# Altium PCB IStoreMedicinv1.PcbDoc (part 2 of 2)
Units mm, origin at the board's own origin, x right, y up, seen from the top; angles counter-clockwise.
Board outline 195 x 97.5 mm, 2 copper layers (Top Layer, Bottom Layer); 201 components, 207 nets, 1110 pads, 82 vias.
Unrouted connection lines stored in the file: 52.
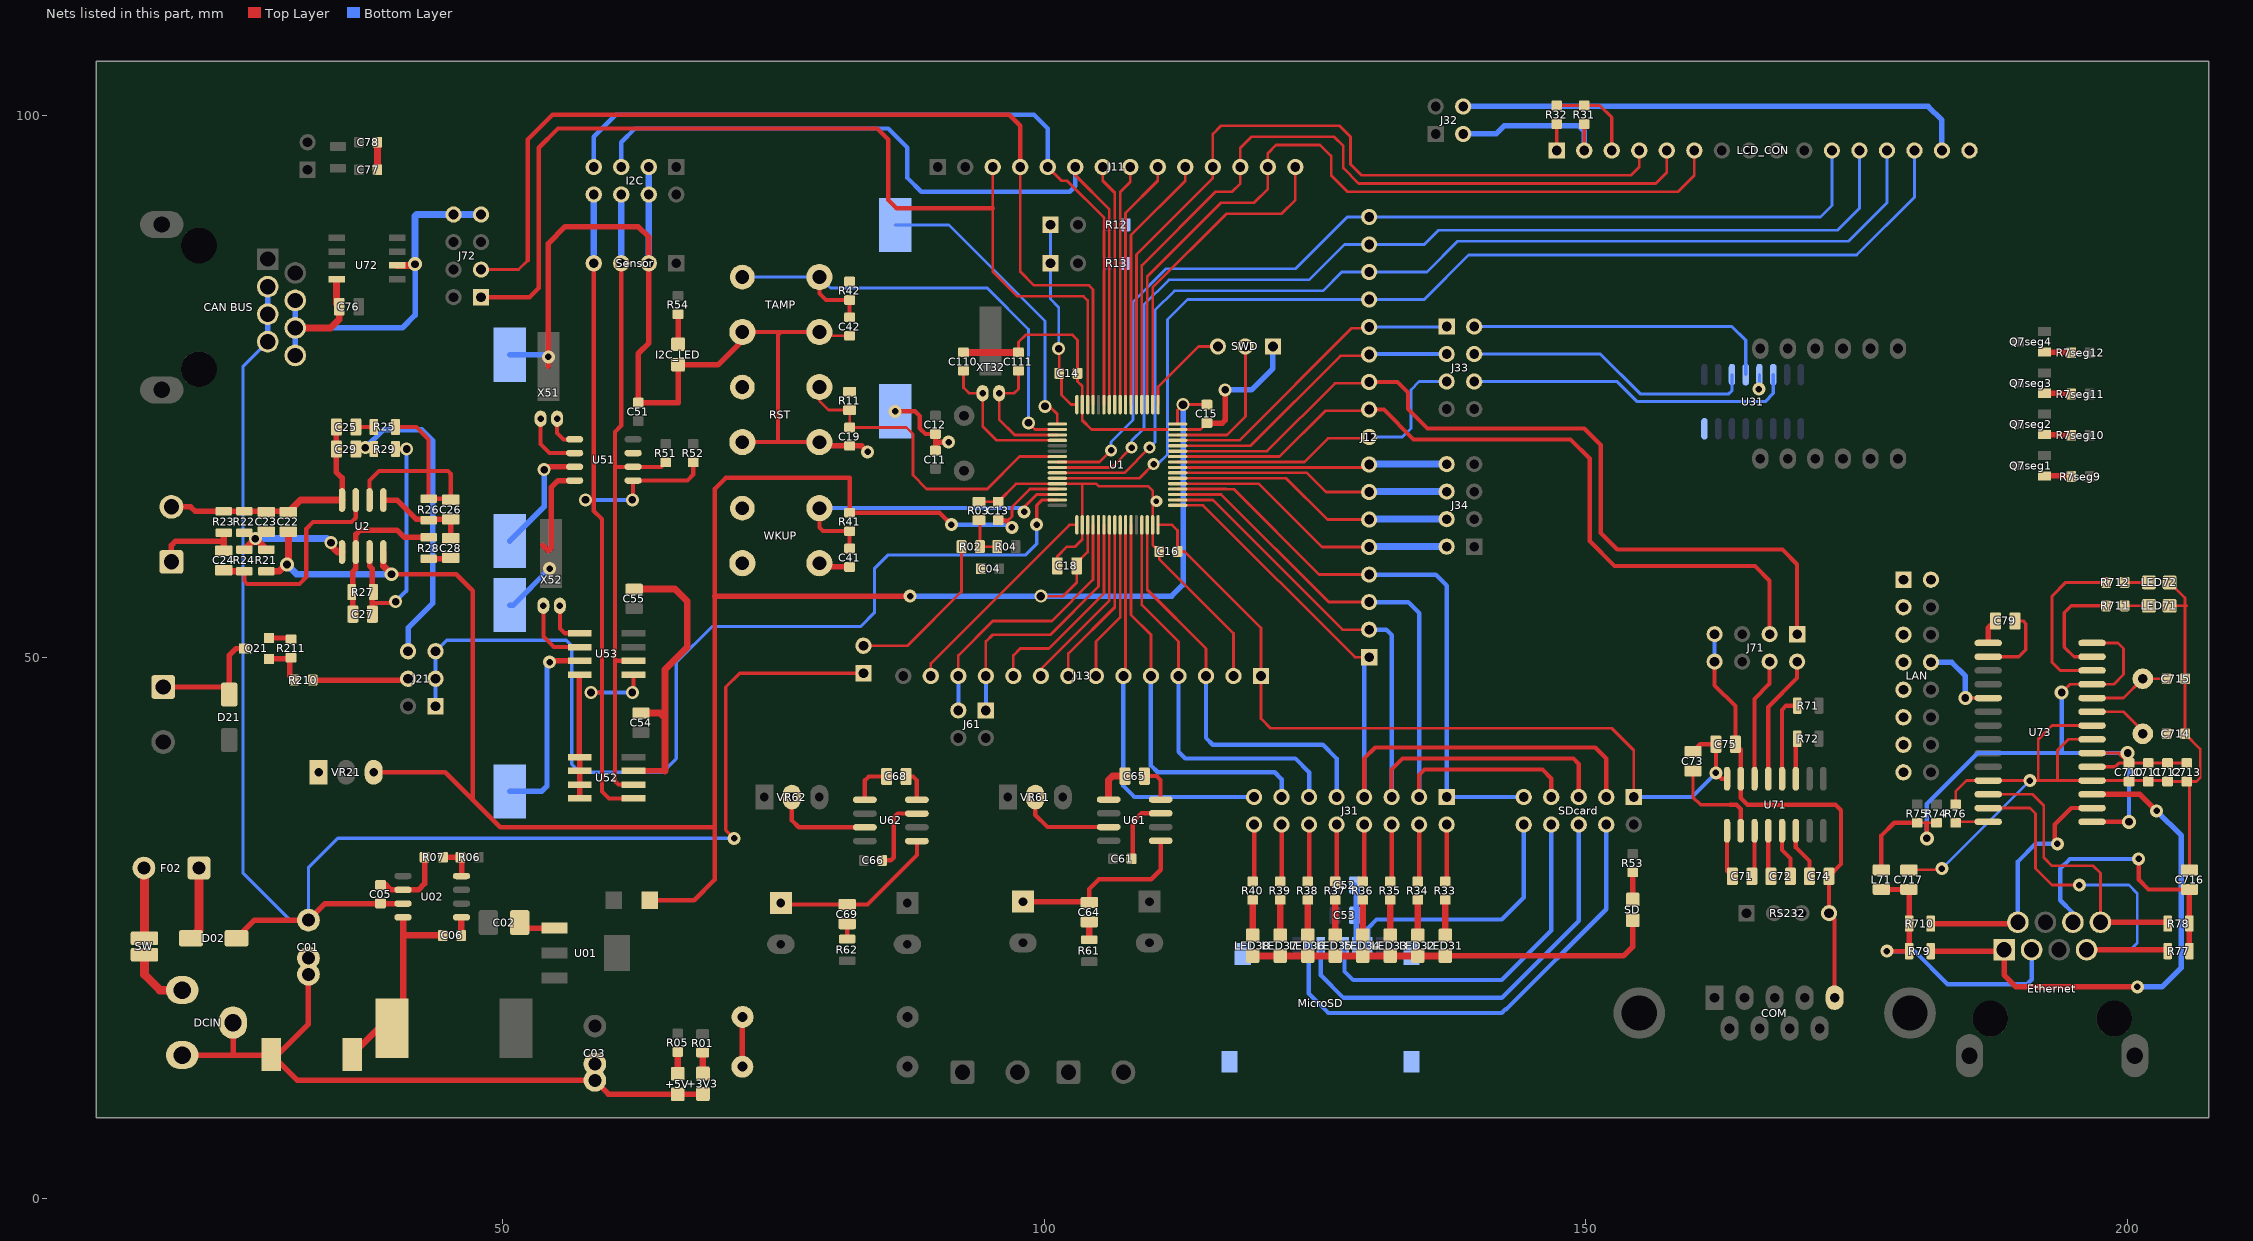
[diagram p2: the nets of this part, all layers, seen from the top]

## Via types
v1: diameter 1.2, hole 0.6, Top Layer to Bottom Layer, tented both sides, 30 vias
v2: diameter 1.2, hole 0.7, Top Layer to Bottom Layer, 15 vias
v3: diameter 1.2, hole 0.8, Top Layer to Bottom Layer, 9 vias
v4: diameter 1.27, hole 1.27, Top Layer to Bottom Layer, 6 vias
v5: diameter 1.2, hole 0.8, Top Layer to Bottom Layer, tented both sides, 5 vias
v6: diameter 1.1, hole 0.6, Top Layer to Bottom Layer, 5 vias
v7: diameter 1.3, hole 0.7, Top Layer to Bottom Layer, tented both sides, 5 vias
v8: diameter 1.27, hole 0.711, Top Layer to Bottom Layer, 3 vias
v9: diameter 1, hole 1, Top Layer to Bottom Layer, 2 vias
v10: diameter 1.2, hole 0.7, Top Layer to Bottom Layer, tented both sides, 1 vias
v11: diameter 1.1, hole 0.5, Top Layer to Bottom Layer, tented both sides, 1 vias

## Nets (pads, with @x,y where several pads share a name; then routed paths per layer and width w, separated by ;. In a path a pad name is that pad's centre, name@x,y a point inside that pad or via, vN(x,y) a via of type N, cw(c..) or ccw(c..) an arc to the next point about the centre after c; other vN are vias at no path point) (continued)
GND: "CAN BUS.4" "CAN BUS.6" "CAN BUS.8" "Ferrite bead.1" +3V3.K +5V.K C01.2 C02.1 C03.2 C04.1 C05.2 C11.2 C12.2 C13.1 C14.1 C15.1 C16.1 C18.1@101.208,58.42 C19.1 C22.1@30.226,63.384 C23.1@28.194,63.384 C25.1@34.66,71.247 C29.2 C41.1 C42.1 C51.2 C52.1@128.662,28.956 C53.1@128.662,26.162 C54.2 C55.2 C74.1@172.447,29.77 C75.1@163.811,41.962 C76.1@34.922,82.347 C77.1 C78.1 C79.1@189.622,53.34 C110.2 C111.2 C710.1 C711.1 C712.1 C713.1 C714.2 C715.2 C716.1@205.74,30.364 C717.2 COM.5 D01.A DCIN.2 DCIN.3 I2C.3 I2C.4 I2C_LED.K J13.2 J71.7 J71.8 J72.7 J72.8 LCD_CON.1 LCD_CON.16 LED31.K LED32.K LED33.K LED34.K LED35.K LED36.K LED37.K LED38.K LED71.K LED72.K MIC.2 MicroSD.6 MicroSD.10 MicroSD.11 MicroSD.12 MicroSD.13 Pin_3V_1.2 Pin_3V_51.2 Pin_3V_52.2 Q21.3 R03.1@93.98,64.35 R6.1 R07.1 R12.1@107.53,89.916 R13.1@107.53,86.36 R22.1@26.162,63.484 R23.2 R32.1 R76.1 R211.1 RS232.4 RST.2 SD.K Sensor.2 SWD.1 TAMP.2 U01.1 U1.12 U1.18 U1.31 U1.47 U1.63 U2.4 U02.6 U31.8 U31.13 U51.4 U52.1 U52.2 U52.3 U52.4 U52.7 U53.4 U71.15 U72.2 U72.8 U73.2 U73.11 U73.18 U73.21 U73.22 VR21.1 WKUP.2 | length 577.8
  Top Layer w0.254: TAMP.2@79.59,79.668 C42.1@82.042,79.668 ; R03.1@93.98,64.35 C13.1@95.758,64.35 97.409,66.001 97.409,66.014 U1.12@101.217,66.014 104.801,66.014 105.029,65.786 109.601,65.786 110.017,65.37 U1.31@110.017,62.214 110.017,60.362 C16.1@110.616,59.763 110.616,59.056 117.475,52.197 J13.2@117.475,48.26 ; C111.2@97.623,78.139 97.623,79.081 98.298,79.756 102.616,79.756 103.085,79.287 C14.1@103.085,76.2 103.085,75.462 103.517,75.03 U1.63@103.517,73.314 103.517,71.87 104.373,71.014 U1.47@112.317,71.014 114.423,71.014 C15.1@115.022,71.613 ; C18.1@101.208,58.42 101.208,59.298 102.108,60.198 102.87,60.198 103.517,60.845 U1.18@103.517,62.214 103.517,65.913 ; v1@165.862,74.676 165.934,74.748 v1(165.969,74.748) ; C717.2@179.832,30.364 182.764,30.364 v1(182.88,30.48) ; R76.1@184.15,36.41 184.15,37.592 185.166,38.608 U73.11@187.153,38.608 v1(191.008,38.608) 191.77,38.608 ; U73.21@196.743,42.418 194.564,42.418 193.548,41.402 193.548,38.608 ; U73.22@196.743,43.688 193.04,43.688 191.77,42.418 191.77,38.608 ; C712.1@203.62,38.608 U73.18@196.743,38.608 193.548,38.608 ; C712.1@203.708,38.52 C713.1@205.486,38.52 206.377,38.52 206.719,38.862 206.719,41.527 C714.2@205.32,42.926 C715.2@205.32,48.006 205.32,54.737 ; LED71.K@203.899,54.737 205.32,54.737 ; LED72.K@203.899,56.896 205.32,55.474 205.32,54.737 ; 205.486,54.737 205.32,54.737 ; 191.77,38.608 193.548,38.608
  Top Layer w0.3: LCD_CON.1@147.32,96.774 R32.1@147.32,99.226 ; U73.2@187.153,50.038 189.992,50.038 190.627,50.673 190.627,53.086 190.373,53.34 C79.1@189.622,53.34 ; C713.1@205.486,38.52 205.74,38.266 C716.1@205.74,30.364
  Top Layer w0.381: RST.2@72.136,69.85 75.438,69.85 ; TAMP.2@72.136,80.01 75.692,80.01 ; RST.2@79.248,69.85 75.438,69.85 ; TAMP.2@79.248,80.01 75.692,80.01 ; J71.8@161.895,49.582 161.895,47.401 163.811,45.485 C75.1@163.811,41.962 164.308,41.465 U71.15@164.308,38.774 164.308,37.009 164.943,36.374 173.071,36.374 173.579,35.866 173.579,30.902 C74.1@172.447,29.77 172.447,26.382 RS232.4@172.464,26.365 172.975,25.854 COM.5@172.975,18.565 ; 75.438,69.85 75.438,79.756 75.692,80.01
  Top Layer w0.4: v1(86.24,72.7) 88.082,72.7 88.519,72.263 88.519,71.12 89.039,70.6 C12.2@89.967,70.6
  Top Layer w0.5: MIC.2@19.431,63.881 21.209,63.881 21.606,63.484 R23.2@24.257,63.484 R22.1@26.162,63.484 30.126,63.484 C22.1@30.226,63.384 ; Q21.3@28.448,51.765 R211.1@30.365,51.765 ; U02.6@40.81,28.524 42.24,28.524 42.805,29.089 R07.1@42.805,31.526 ; WKUP.2@79.248,58.674 79.59,58.332 C41.1@82.042,58.332 ; RST.2@79.59,69.508 C19.1@82.042,69.508 83.146,69.508 v1(83.693,68.961) ; C11.2@89.967,69.074 89.967,69.85 ; C12.2@89.967,70.6 89.967,69.85 ; v1(91.186,69.85) 89.967,69.85
  Top Layer w0.508: DCIN.2@20.422,13.263 25.095,13.263 ; DCIN.3@25.122,16.263 25.122,13.289 25.095,13.263 ; C01.2@32.08,22.216 C01.2@32.08,20.716 32.08,16.129 29.214,13.263 D01.A@28.727,13.263 ; C25.1@34.66,71.247 C29.2@34.66,69.215 34.66,67.067 35.179,66.548 U2.4@35.179,64.503 ; C05.2@38.735,28.968 39.257,28.968 39.7,28.524 U02.6@40.81,28.524 ; C02.1@52.109,24.982 U01.1@54.783,24.982 ; 53.711,60.332 54.228,59.816 54.475,60.063 54.475,65.651 55.123,66.299 U51.4@56.652,66.299 ; 54.221,76.84 54.221,88.184 55.786,89.749 62.517,89.749 63.5,88.766 Sensor.2@63.5,86.36 63.5,78.994 62.527,78.021 C51.2@62.527,73.499 66.2,73.499 I2C_LED.K@66.2,76.986 69.874,76.986 72.136,79.248 TAMP.2@72.136,80.01 ; U52.4@57.131,36.962 U52.3@57.131,38.232 U52.2@57.131,39.502 U52.1@57.131,40.772 57.058,40.772 57.058,48.319 U53.4@57.131,48.392 ; U52.7@62.081,39.502 64.999,39.502 ; +3V3.K@68.504,9.665 59.779,9.665 58.522,10.922 31.068,10.922 D01.A@28.727,13.263 ; 72.136,12.192 72.136,16.764 R6.1@72.161,16.789 ; C15.1@115.022,71.613 116.444,71.613 116.713,71.882 v2(116.713,74.676) ; LED31.K@137.033,22.415 153.48,22.415 154.34,23.276 SD.K@154.34,25.717 ; 25.095,13.263 D01.A@28.727,13.263
  Top Layer w0.635: C22.1@30.226,63.384 31.345,64.503 U2.4@35.179,64.503 ; 30.861,80.391 34.138,80.391 34.922,81.175 C76.1@34.922,82.347 ; C76.1@34.679,82.59 U72.8@34.679,84.887 ; C77.1@38.442,94.996 C78.1@38.442,97.536 ; U72.2@40.267,86.157 v8@41.791,86.157 ; C55.2@62.146,56.277 65.913,56.277 67.056,55.134 67.056,50.927 64.999,48.87 64.999,44.364 ; C54.2@62.781,44.847 64.516,44.847 64.999,44.364 ; 64.999,39.502 64.999,44.364 ; C110.2@92.543,78.139 C111.2@97.623,78.139 ; LED38.K@119.253,22.415 LED37.K@121.793,22.415 LED36.K@124.333,22.415 LED35.K@126.873,22.415 LED34.K@129.413,22.415 LED33.K@131.953,22.415 LED32.K@134.493,22.415 LED31.K@137.033,22.415
  Bottom Layer w0.254: v1(165.969,74.748) 166.012,74.705 166.038,74.705 U31.13@166.038,76.085 ; v1(182.88,30.48) v1(191.008,38.608)
  Bottom Layer w0.381: J71.8@161.895,49.582 J71.7@161.895,52.122
  Bottom Layer w0.5: Pin_3V_52.2@50.666,54.808 50.998,54.808 v1(54.356,58.166) ; Pin_3V_51.2@50.666,77.922 v1@53.904,77.922
  Bottom Layer w0.508: 30.861,77.851 30.861,80.391 ; 30.861,82.931 30.861,80.391 ; v8(41.918,86.284) 41.918,81.567 40.742,80.391 30.861,80.391 ; v2(116.713,74.676) 119.126,74.676 121.118,76.668 SWD.1@121.118,78.686 ; C52.1@128.662,28.956 128.829,28.789 MicroSD.6@128.829,23.406
  Bottom Layer w0.635: v8(41.918,86.284) 41.918,90.729 42.045,90.856 J72.8@45.474,90.856 J72.7@48.014,90.856 ; Sensor.2@63.5,86.36 I2C.4@63.5,92.71 I2C.3@63.5,95.25
  other v1: 54.221,77.724
  other v11: 110.363,64.389
LED1: J31.2 R33.1 | length 5.1
  Top Layer w0.4: R33.1@137.16,29.425 J31.2@137.16,34.544
LED2: J31.4 R34.1 | length 5.1
  Top Layer w0.4: R34.1@134.62,29.425 J31.4@134.62,34.544
LED3: J31.6 R35.1 | length 5.1
  Top Layer w0.4: R35.1@132.08,29.425 J31.6@132.08,34.544
LED4: J31.8 R36.1 | length 5.1
  Top Layer w0.4: R36.1@129.54,29.425 J31.8@129.54,34.544
LED5: J31.10 R37.1 | length 5.1
  Top Layer w0.4: R37.1@127,29.425 J31.10@127,34.544
LED6: J31.12 R38.1 | length 5.1
  Top Layer w0.4: R38.1@124.46,29.425 J31.12@124.46,34.544
LED7: J31.14 R39.1 | length 5.1
  Top Layer w0.4: R39.1@121.92,29.425 J31.14@121.92,34.544
LED8: J31.16 R40.1 | length 5.3
  Top Layer w0.4: R40.1@119.253,29.298 119.38,29.425 J31.16@119.38,34.544
LEDA: R711.1 U73.27 | length 10.2
  Top Layer w0.3: U73.27@196.743,50.038 195.072,50.038 194.183,50.927 194.183,54.102 194.818,54.737 R711.1@198.032,54.737
LEDB: R712.1 U73.26 | length 15.6
  Top Layer w0.3: U73.26@196.743,48.768 193.802,48.768 193.04,49.53 193.04,55.626 194.31,56.896 R712.1@198.032,56.896
MCU_VBAT: Pin_3V_1.1 U1.1 | length 27.7
  Top Layer w0.254: v2(100.076,73.152) 100.49,73.152 101.217,72.425 U1.1@101.217,71.514
  Bottom Layer w0.254: Pin_3V_1.1@86.24,89.9 91.202,89.9 100.076,81.026 v2(100.076,73.152)
MIC_IN: C24.2 MIC.1 R23.1@24.257,61.484 | length 8.2
  Top Layer w0.5: MIC.1@19.431,58.801 19.431,60.325 19.812,60.706 24.257,60.706
  Top Layer w0.635: C24.2@24.257,59.828 24.257,60.706 R23.1@24.257,61.484
MIC_OUT: C29.1@36.46,69.215 J21.6 R29.1@38.116,69.215 | length 27.8
  Top Layer w0.635: v2@37.338,69.215 v2(37.338,69.342)
  Bottom Layer w0.5: v2(37.338,69.342) 38.989,70.993 42.545,70.993 43.561,69.977 43.561,54.991 41.275,52.705 J21.6@41.275,50.546
Net+3V3_A: +3V3.A R01.1@68.478,13.501 | length 1.9
  Top Layer w0.6: R01.1@68.478,13.501 68.504,13.476 +3V3.A@68.504,11.57
Net+5V_A: +5V.A R05.1 | length 2
  Top Layer w0.6: +5V.A@66.167,11.544 R05.1@66.167,13.552
NetC06_1: C06.1 U02.1 | length 1.7
  Top Layer w0.635: C06.1@46.189,24.308 46.189,25.963 U02.1@46.21,25.984
NetC25_2: C25.2 R25.2 | length 1.7
  Top Layer w0.381: C25.2@36.46,71.247 R25.2@38.116,71.247
NetC28_1: C28.1@45.212,59.171 R28.1@43.18,59.071 | length 1.9
  Top Layer w0.508: R28.1@43.18,59.071 C28.1@45.112,59.071
NetC61_2: C61.2 U61.7 | length 6.3
  Top Layer w0.4: C61.2@108.19,31.394 108.19,34.784 108.991,35.585 U61.7@110.756,35.585
NetC63_1: C63.1 C64.1@104.165,27.352 U61.5 | length 17.4
  Top Layer w0.4: C64.1@104.165,27.352 104.165,28.6 105.054,29.489 109.88,29.489 110.756,30.365 U61.5@110.756,33.045
  Top Layer w0.508: C63.1@98.044,27.432 104.086,27.432 C64.1@104.165,27.352
NetC64_2: C64.2 R61.2 | length 1.7
  Top Layer w0.635: R61.2@104.165,23.896 C64.2@104.165,25.552
NetC65_1: C65.1@109.256,39.014 U61.8 | length 3.4
  Top Layer w0.381: C65.1@109.256,39.014 110.388,39.014 110.756,38.646 U61.8@110.756,36.855
NetC65_2: C65.2 U61.1 | length 3.4
  Top Layer w0.635: U61.1@105.956,36.855 105.956,38.646 106.324,39.014 C65.2@107.456,39.014
NetC66_2: C66.2 U62.7 | length 7.1
  Top Layer w0.4: C66.2@85.051,31.242 85.852,31.242 86.106,31.496 86.106,35.179 86.487,35.56 U62.7@88.252,35.56
NetC68_1: C68.1@87.26,38.989 U62.8 | length 2.9
  Top Layer w0.4: C68.1@87.26,38.989 87.884,38.989 88.252,38.621 U62.8@88.252,36.83
NetC68_2: C68.2 U62.1 | length 4
  Top Layer w0.4: U62.1@83.452,36.83 83.452,38.621 83.82,38.989 C68.2@85.46,38.989
NetC69_1: C69.1@81.813,27.179 C610.1 U62.5 | length 15.8
  Top Layer w0.381: C610.1@75.692,27.305 75.818,27.179 C69.1@81.813,27.179 83.694,27.179 88.252,31.737 U62.5@88.252,33.02
NetC69_2: C69.2 R62.2 | length 1.4
  Top Layer w0.4: R62.2@81.813,23.977 C69.2@81.813,25.379
NetC71_1: C71.1@163.535,29.77 U71.1 | length 4.4
  Top Layer w0.381: U71.1@163.038,33.974 163.038,30.267 C71.1@163.535,29.77
NetC71_2: C71.2 U71.3 | length 4.3
  Top Layer w0.381: C71.2@165.335,29.77 165.578,30.013 U71.3@165.578,33.974
NetC72_1: C72.1@168.891,29.77 U71.5 | length 4.5
  Top Layer w0.381: U71.5@168.118,33.974 168.118,32.183 168.891,31.41 C72.1@168.891,29.77
NetC72_2: C72.2 U71.4 | length 4.3
  Top Layer w0.381: U71.4@166.848,33.974 166.848,30.013 C72.2@167.091,29.77
NetC73_2: C73.2 U71.2 | length 9.3
  Top Layer w0.3: C73.2@159.893,39.486 159.893,37.084 160.603,36.374 163.322,36.374
  Top Layer w0.381: 163.322,36.374 163.927,36.374 164.308,35.993 U71.2@164.308,33.974
NetC74_2: C74.2 U71.6 | length 4.7
  Top Layer w0.381: U71.6@169.388,33.974 169.388,32.437 170.647,31.178 C74.2@170.647,29.77
NetC79_2: C79.2 U73.1 | length 2.3
  Top Layer w0.5: U73.1@187.153,51.308 187.153,52.671 C79.2@187.822,53.34
NetC716_2: C716.2 Ethernet.6 R77.1@205.724,22.86 R78.1@205.724,25.4 | length 25.7
  Top Layer w0.4: v1(201.041,31.369) 201.041,29.464 201.957,28.548 C716.2@205.724,28.548
  Top Layer w0.5: R77.1@205.724,22.86 R78.1@205.724,25.4 C716.2@205.724,28.548
  Bottom Layer w0.4: Ethernet.6@194.97,25.527 194.97,26.391 193.802,27.559 193.802,30.48 194.691,31.369 v1(201.041,31.369)
NetC717_1: C717.1@179.832,28.564 Ethernet.3 L71.2 R79.2 R710.2 | length 27.9
  Top Layer w0.4: v1(177.8,22.86) R79.2@179.848,22.86
  Top Layer w0.5: L71.2@177.292,28.564 177.308,28.548 179.848,28.548 R710.2@179.848,25.4 R79.2@179.848,22.86
  Bottom Layer w0.4: v1(177.8,22.86) 180.34,22.86 183.388,19.812 190.754,19.812 191.16,20.218 Ethernet.3@191.16,22.987
NetD02_1: D02.A F02.1 | length 6.8
  Top Layer w0.8: D02.A@21.243,24.054 21.971,24.782 F02.1@21.971,30.531
NetD21_1: D21.A PWM.1 Q21.2 | length 11.3
  Top Layer w0.5: PWM.1@18.669,47.244 D21.A@24.706,47.244 ; D21.A@24.765,46.55 24.765,50.165 25.4,50.8 Q21.2@26.162,50.8
NetDCIN_1: DCIN.1 SW.2 | length 5.8
  Top Layer w0.8: SW.2@16.942,22.384 16.942,20.701 18.38,19.263 DCIN.1@20.422,19.263
NetF02_2: F02.2 SW.1 | length 6.5
  Top Layer w0.8: F02.2@16.891,30.531 16.942,30.48 SW.1@16.942,24.054
NetI2C_LED_A: I2C_LED.A R54.1 | length 2.8
  Top Layer w0.508: I2C_LED.A@66.2,78.891 R54.1@66.2,81.66
NetJ01_2: J01.2 R02.2 | length 15.3
  Top Layer w0.254: J01.2@83.312,51.054 87.376,51.054 92.368,56.046 R02.2@92.368,60.198
NetJ32_3: J32.3 LCD_CON.2 R31.2 | length 15.9
  Top Layer w0.3: LCD_CON.2@149.86,96.774 R31.2@149.86,99.226
  Bottom Layer w0.508: J32.3@138.684,98.298 141.732,98.298 142.494,99.06 149.352,99.06 149.86,98.552 LCD_CON.2@149.86,96.774
NetJ32_4: J32.4 LCD_CON.15 | length 47.5
  Bottom Layer w0.508: J32.4@138.684,100.838 181.61,100.838 182.88,99.568 LCD_CON.15@182.88,96.774
NetLCD_CON_3: LCD_CON.3 R31.1 R32.2 | length 8.6
  Top Layer w0.3: R32.2@147.32,100.926 151.296,100.926 152.4,99.822 LCD_CON.3@152.4,96.774
NetLED31_A: LED31.A R33.2 | length 3.3
  Top Layer w0.635: LED31.A@137.033,24.32 R33.2@137.033,27.598
NetLED32_A: LED32.A R34.2 | length 3.3
  Top Layer w0.635: LED32.A@134.493,24.32 R34.2@134.493,27.598
NetLED33_A: LED33.A R35.2 | length 3.3
  Top Layer w0.635: LED33.A@131.953,24.32 R35.2@131.953,27.598
NetLED34_A: LED34.A R36.2 | length 3.3
  Top Layer w0.635: LED34.A@129.413,24.32 R36.2@129.413,27.598
NetLED35_A: LED35.A R37.2 | length 3.3
  Top Layer w0.635: LED35.A@126.873,24.32 R37.2@126.873,27.598
NetLED36_A: LED36.A R38.2 | length 3.3
  Top Layer w0.635: LED36.A@124.333,24.32 R38.2@124.333,27.598
NetLED37_A: LED37.A R39.2 | length 3.3
  Top Layer w0.635: LED37.A@121.793,24.32 R39.2@121.793,27.598
NetLED38_A: LED38.A R40.2 | length 3.3
  Top Layer w0.635: LED38.A@119.253,24.32 R40.2@119.253,27.598
NetLED71_A: LED71.A R711.2 | length 2.3
  Top Layer w0.254: R711.2@199.732,54.737 LED71.A@201.994,54.737
NetLED72_A: LED72.A R712.2 | length 2.3
  Top Layer w0.254: R712.2@199.732,56.896 LED72.A@201.994,56.896
NetPin_3V_52_1: Pin_3V_52.1 U53.3 | length 17.8
  Top Layer w0.5: v1@54.488,49.662 U53.3@57.131,49.662
  Bottom Layer w0.5: Pin_3V_52.1@50.666,37.608 53.61,37.608 54.102,38.1 54.102,49.276 v1(54.356,49.53)
NetQ7seg1_3: Q7seg1.3 R7seg9.2 | length 2.4
  Top Layer w0.508: Q7seg1.3@192.348,66.735 R7seg9.2@194.754,66.735
NetQ7seg2_3: Q7seg2.3 R7seg10.2 | length 2.4
  Top Layer w0.508: Q7seg2.3@192.348,70.545 R7seg10.2@194.754,70.545
NetQ7seg3_3: Q7seg3.3 R7seg11.2 | length 2.4
  Top Layer w0.508: Q7seg3.3@192.348,74.355 R7seg11.2@194.754,74.355
NetQ7seg4_3: Q7seg4.3 R7seg12.2 | length 2.4
  Top Layer w0.508: Q7seg4.3@192.348,78.165 R7seg12.2@194.754,78.165
NetQ21_1: Q21.1 R210.2 R211.2 | length 4
  Top Layer w0.5: Q21.1@28.448,49.835 30.365,49.835 30.365,48.287 R210.2@30.773,47.879
NetR02_1: R02.1@94.068,60.198 R03.2 R04.2 | length 4.2
  Top Layer w0.254: R03.2@94.068,62.816 R02.1@94.068,60.198 R04.2@95.67,60.198
NetR53_1: R53.1 SD.A | length 2.5
  Top Layer w0.508: SD.A@154.34,27.622 R53.1@154.34,30.138
NetR71_1: R71.1@169.531,45.518 U71.12 | length 7.9
  Top Layer w0.381: U71.12@168.118,38.774 168.118,45.137 168.499,45.518 R71.1@169.531,45.518
NetR72_1: R72.1@169.531,42.47 U71.11 | length 3.6
  Top Layer w0.381: U71.11@169.388,38.774 R72.1@169.388,42.327
NetR76_2: R76.2 U73.14 | length 2.9
  Top Layer w0.254: R76.2@184.238,34.798 U73.14@187.153,34.798
NetU51_1: U51.1 X51.1 | length 3.2
  Top Layer w0.381: X51.1@55.034,72.014 55.034,70.696 55.621,70.109 U51.1@56.652,70.109
NetU51_2: U51.2 X51.2 | length 5.8
  Top Layer w0.381: X51.2@53.51,72.014 53.51,69.68 54.351,68.839 U51.2@56.652,68.839
NetU53_1: U53.1 X52.1 | length 4.1
  Top Layer w0.381: X52.1@55.288,54.742 55.288,52.662 55.748,52.202 U53.1@57.131,52.202
NetU53_2: U53.2 X52.2 | length 6.6
  Top Layer w0.381: X52.2@53.764,54.742 53.764,51.9 54.732,50.932 U53.2@57.131,50.932
NetU61_3: U61.3 VR61.2 | length 8.9
  Top Layer w0.4: VR61.2@99.187,37.084 99.187,35.433 100.305,34.315 U61.3@105.956,34.315
NetU62_3: U62.3 VR62.2 | length 9.2
  Top Layer w0.4: VR62.2@76.708,37.084 76.708,34.925 77.343,34.29 U62.3@83.452,34.29
NEU: C23.2 R21.1@28.194,59.928 R22.2 R24.1@26.162,59.928 U2.5 | length 11.8
  Top Layer w0.635: R24.1@26.162,59.928 v2(27.178,60.944) R21.1@28.194,59.928 ; v2(34.163,60.579) 34.163,60.325 34.785,59.703 U2.5@35.179,59.703
  Bottom Layer w0.635: v2@27.178,60.706 v2(27.178,60.944) 33.798,60.944 v2(34.163,60.579)
NRST: C19.2 R11.1@82.042,72.81 RST.1 U1.7 | length 31
  Top Layer w0.254: RST.1@79.248,74.93 79.248,73.66 80.098,72.81 R11.1@82.042,72.81 C19.2@82.042,71.208 87.288,71.208 87.884,70.612 87.884,66.802 89.154,65.532 94.742,65.532 97.724,68.514 U1.7@101.217,68.514
OSC25_1: C714.1 U73.23 XT25M.2 | length 5.7
  Top Layer w0.254: U73.23@196.743,44.958 199.644,44.958 201.422,43.18 XT25M.2@201.422,42.926
OSC25_2: C715.1 U73.24 XT25M.1 | length 7.6
  Top Layer w0.254: U73.24@196.743,46.228 199.644,46.228 XT25M.1@201.422,48.006 C715.1@203.62,48.006
OSC32_IN: C111.1 U1.3 XT32.1 | length 12
  Top Layer w0.254: C111.1@97.623,76.439 97.623,74.749 97.242,74.368 XT32.1@95.845,74.368 95.845,71.955 97.286,70.514 U1.3@101.217,70.514
OSC32_OUT: C110.1 U1.4 XT32.2 | length 14
  Top Layer w0.254: C110.1@92.543,76.439 92.543,74.876 93.051,74.368 XT32.2@94.321,74.368 94.321,71.32 95.627,70.014 U1.4@101.217,70.014
OUTAMP: C27.1@37.984,53.975 R27.1@38.084,56.007 R29.2 U2.7 | length 23.6
  Top Layer w0.381: 37.984,54.991 40.005,54.991 v2(40.132,55.118) ; R29.2@40.116,69.215 v2(41.148,69.215)
  Top Layer w0.508: U2.7@37.719,59.703 37.719,58.42 37.984,58.155 37.984,54.991 C27.1@37.984,53.975
  Bottom Layer w0.381: v2(40.132,55.118) 41.148,56.134 v2(41.148,69.215)
PA1: J21.1 J21.2 J21.3 U1.15 | length 94.4
  Top Layer w0.3: v1(99.314,62.23) 99.314,64.008 99.82,64.514 U1.15@101.217,64.514
  Bottom Layer w0.3: J21.3@43.815,50.546 44.831,51.562 55.88,51.562 56.388,51.054 56.388,40.132 57.15,39.37 64.77,39.37 66.04,40.64 66.04,49.53 69.342,52.832 83.058,52.832 84.328,54.102 84.328,58.166 85.598,59.436 98.298,59.436 99.314,60.452 v1(99.314,62.23)
  Bottom Layer w0.381: J21.1@43.815,45.466 J21.2@43.815,48.006 J21.3@43.815,50.546
PA3: J13.13 U1.17 | length 19.9
  Top Layer w0.254: J13.13@89.535,48.26 89.535,49.403 102.346,62.214 U1.17@103.017,62.214
PA4: J13.12 J61.3 U1.20 | length 25.5
  Top Layer w0.254: J13.12@92.075,48.26 92.075,50.165 95.25,53.34 100.707,53.34 104.517,57.15 U1.20@104.517,62.214
  Bottom Layer w0.381: J61.3@92.075,45.085 J13.12@92.075,48.26
PA5: J13.11 J61.1 U1.21 | length 24.6
  Top Layer w0.254: J13.11@94.615,48.26 94.615,51.435 95.25,52.07 100.572,52.07 105.017,56.515 U1.21@105.017,62.214
  Bottom Layer w0.381: J61.1@94.615,45.085 J13.11@94.615,48.26
PA6: J13.10 U1.22 | length 19
  Top Layer w0.254: J13.10@97.155,48.26 97.155,50.165 97.79,50.8 100.437,50.8 105.517,55.88 U1.22@105.517,62.214
PA7: J13.9 U1.23 | length 16.6
  Top Layer w0.254: J13.9@99.695,48.26 99.695,48.923 106.017,55.245 U1.23@106.017,62.214
PA8: J12.9 J33.5 U1.41 | length 30
  Top Layer w0.254: U1.41@112.317,68.014 124.021,68.014 126.207,70.2 J12.9@130,70.2
  Bottom Layer w0.254: J12.9@130,70.32 133.058,70.32 133.858,71.12 133.858,74.676 134.62,75.438 J33.5@137.16,75.438
PA9: J12.10 J71.3 U1.42 | length 72.4
  Top Layer w0.254: U1.42@112.317,68.514 121.727,68.514 125.953,72.74 J12.10@130,72.74
  Top Layer w0.381: J12.10@130,72.86 131.356,72.86 134.112,70.104 148.59,70.104 150.368,68.326 150.368,60.706 152.654,58.42 165.608,58.42 166.975,57.053 J71.3@166.975,52.122
PA10: J12.11 J71.1 U1.43 | length 78.9
  Top Layer w0.254: U1.43@112.317,69.014 120.576,69.014 126.842,75.28 J12.11@130,75.28
  Top Layer w0.381: J12.11@130,75.4 132.626,75.4 133.604,74.422 133.604,72.898 135.382,71.12 149.86,71.12 151.384,69.596 151.384,61.468 152.908,59.944 168.148,59.944 169.515,58.577 J71.1@169.515,52.122
PA11: J12.12 J33.3 U1.44 | length 28.3
  Top Layer w0.254: U1.44@112.317,69.514 119.044,69.514 127.35,77.82 J12.12@130,77.82
  Bottom Layer w0.381: J12.12@130,77.94 130.038,77.978 J33.3@137.16,77.978
PA12: J12.13 J33.1 U1.45 | length 29.1
  Top Layer w0.254: U1.45@112.317,70.014 118.02,70.014 128.366,80.36 J12.13@130,80.36
  Bottom Layer w0.254: J12.13@130,80.48 137.122,80.48 J33.1@137.16,80.518
PA15: J11.14 U1.50 | length 30.4
  Top Layer w0.254: U1.50@110.017,73.314 110.017,84.109 116.84,90.932 121.92,90.932 123.19,92.202 J11.14@123.19,95.25
PB0: J13.6 J31.15 LAN.15 U1.26 | length 36.7
  Top Layer w0.254: J13.6@107.315,48.26 107.517,48.462 U1.26@107.517,62.214
  Bottom Layer w0.4: J13.6@107.315,48.26 107.315,38.1 108.331,37.084 J31.15@119.38,37.084
PB1: J13.5 J31.13 LAN.7 U1.27 | length 37.2
  Top Layer w0.254: U1.27@108.017,62.214 108.017,53.908 109.855,52.07 J13.5@109.855,48.26
  Bottom Layer w0.4: J13.5@109.855,48.26 109.855,40.005 110.49,39.37 121.285,39.37 121.92,38.735 J31.13@121.92,37.084
PB3: J11.9 U1.55 | length 23.2
  Top Layer w0.254: U1.55@107.517,73.314 107.517,91.007 110.49,93.98 J11.9@110.49,95.25
PB4: J11.8 U1.56 | length 22.3
  Top Layer w0.254: U1.56@107.017,73.314 107.017,92.92 107.95,93.853 J11.8@107.95,95.25
PB5: J11.7 U1.57 | length 22.4
  Top Layer w0.254: J11.7@105.41,95.25 105.41,93.98 106.517,92.873 U1.57@106.517,73.314
PB6: I2C.5 J11.6 U1.58 | length 74
  Top Layer w0.254: J11.6@102.87,95.25 102.87,94.488 106.017,91.341 U1.58@106.017,73.314
  Bottom Layer w0.4: I2C.5@60.96,95.25 60.96,97.536 62.23,98.806 85.598,98.806 87.376,97.028 87.376,94.234 88.646,92.964 102.362,92.964 102.87,93.472 J11.6@102.87,95.25
PB7: I2C.7 J11.5 U1.59 | length 74
  Top Layer w0.254: J11.5@100.33,95.25 101.6,93.98 102.108,93.98 105.517,90.571 U1.59@105.517,73.314
  Bottom Layer w0.4: I2C.7@58.42,95.25 58.42,98.044 60.452,100.076 99.06,100.076 100.33,98.806 J11.5@100.33,95.25
PB8: J11.4 J72.3 U1.61 | length 94.2
  Top Layer w0.254: J72.3@48.014,85.776 51.486,85.776 52.324,86.614 ; J11.4@97.79,95.25 97.79,85.598 99.06,84.328 104.14,84.328 104.517,83.951 U1.61@104.517,73.314
  Top Layer w0.4: 52.324,86.614 52.324,97.79 54.61,100.076 96.774,100.076 97.79,99.06 J11.4@97.79,95.25
PB9: J11.3 J72.1 U1.62 | length 96.7
  Top Layer w0.254: J11.3@95.25,95.25 95.25,91.44 95.25,85.598 97.536,83.312 103.632,83.312 104.017,82.927 U1.62@104.017,73.314
  Top Layer w0.4: J72.1@48.014,83.236 52.502,83.236 53.34,84.074 53.34,97.028 55.118,98.806 84.582,98.806 85.598,97.79 85.598,92.202 86.36,91.44 95.25,91.44
PB10: J13.4 J31.11 LAN.5 U1.29 | length 37.5
  Top Layer w0.254: U1.29@109.017,62.214 109.017,54.813 112.395,51.435 J13.4@112.395,48.26
  Bottom Layer w0.4: J13.4@112.395,48.26 112.395,41.275 113.03,40.64 123.19,40.64 124.46,39.37 J31.11@124.46,37.084
PB11: J13.3 J31.9 LAN.3 U1.30 | length 38.3
  Top Layer w0.254: U1.30@109.517,62.214 109.517,56.218 114.935,50.8 J13.3@114.935,48.26
  Bottom Layer w0.4: J13.3@114.935,48.26 114.935,42.545 115.57,41.91 125.73,41.91 127,40.64 J31.9@127,37.084
PB12: J12.1 J31.7 SDcard.3 U1.33 | length 66.9
  Top Layer w0.254: U1.33@112.317,64.014 114.675,64.014 128.689,50 J12.1@130,50
  Top Layer w0.4: J31.7@129.54,37.084 129.54,40.64 130.556,41.656 150.876,41.656 151.892,40.64 SDcard.3@151.892,37.084
  Bottom Layer w0.4: J31.7@129.54,37.084 129.54,49.54 J12.1@130,50
PB13: J12.2 J31.5 LAN.11 SDcard.5 U1.34 | length 63.4
  Top Layer w0.254: U1.34@112.317,64.514 115.572,64.514 127.546,52.54 J12.2@130,52.54
  Top Layer w0.381: J31.5@132.08,37.084 132.08,39.615 133.096,40.631 148.853,40.631 149.352,40.132 SDcard.5@149.352,37.084
  Bottom Layer w0.4: J12.2@130,52.54 131.572,52.54 132.08,52.032 J31.5@132.08,37.084
PB14: J12.3 J31.3 LAN.13 SDcard.7 U1.35 | length 60.3
  Top Layer w0.254: U1.35@112.317,65.014 116.342,65.014 126.276,55.08 J12.3@130,55.08
  Top Layer w0.381: J31.3@134.62,37.084 134.62,39.107 135.128,39.615 145.999,39.615 146.812,38.801 SDcard.7@146.812,37.084
  Bottom Layer w0.4: J12.3@130,55.08 133.604,55.08 134.62,54.064 J31.3@134.62,37.084
PB15: J12.4 J31.1 LAN.9 SDcard.9 U1.36 | length 55.2
  Top Layer w0.254: U1.36@112.317,65.514 116.84,65.514 ; 116.84,65.506 117.501,65.506 125.387,57.62 J12.4@130,57.62
  Bottom Layer w0.4: J12.4@130,57.62 136.144,57.62 137.16,56.604 J31.1@137.16,37.084 SDcard.9@144.272,37.084
PC0: J12.17 LCD_CON.11 U1.8 | length 93.2
  Top Layer w0.254: U1.8@101.217,68.014 105.098,68.014 v6(106.172,69.088)
  Bottom Layer w0.254: v6(106.172,69.088) 106.172,69.85 108.204,71.882 108.204,82.804 111.252,85.852 123.19,85.852 127.978,90.64 J12.17@130,90.64 171.666,90.64 172.72,91.694 LCD_CON.11@172.72,96.774
PC1: J12.16 LCD_CON.12 U1.9 | length 96.4
  Top Layer w0.254: U1.9@101.217,67.514 106.249,67.514 v6(108.077,69.342)
  Bottom Layer w0.254: v6(108.077,69.342) 108.077,69.977 109.22,71.12 109.22,82.55 111.506,84.836 124.46,84.836 127.724,88.1 J12.16@130,88.1 135.09,88.1 136.398,89.408 173.228,89.408 175.26,91.44 LCD_CON.12@175.26,96.774
PC2: J12.15 LCD_CON.13 U1.10 | length 98.9
  Top Layer w0.254: U1.10@101.217,67.014 107.4,67.014 v6(109.728,69.342)
  Bottom Layer w0.254: v6(109.728,69.342) 110.236,69.85 110.236,82.042 112.014,83.82 125.73,83.82 127.47,85.56 J12.15@130,85.56 135.344,85.56 138.176,88.392 174.244,88.392 177.8,91.948 LCD_CON.13@177.8,96.774
PC3: J12.14 LCD_CON.14 U1.11 | length 101.5
  Top Layer w0.254: U1.11@101.217,66.514 108.805,66.514 v6(110.109,67.818)
  Bottom Layer w0.254: v6(110.109,67.818) 110.49,67.818 111.379,68.707 111.379,81.153 113.246,83.02 J12.14@130,83.02 135.09,83.02 139.192,87.122 175.006,87.122 180.34,92.456 LCD_CON.14@180.34,96.774
PC4: J13.8 U1.24 | length 15.7
  Top Layer w0.254: J13.8@102.235,48.26 102.235,50.328 106.517,54.61 U1.24@106.517,62.214
PC5: J13.7 U1.25 | length 14.9
  Top Layer w0.254: J13.7@104.775,48.26 104.775,51.435 107.017,53.677 U1.25@107.017,62.214
PC6: J12.5 J34.2 U1.37 | length 27
  Top Layer w0.254: U1.37@112.317,66.014 119.787,66.014 125.641,60.16 J12.5@130,60.16
  Bottom Layer w0.635: J12.5@130.038,60.198 J34.2@136.906,60.198
PC7: J12.6 J34.4 U1.38 | length 26.2
  Top Layer w0.254: U1.38@112.317,66.514 122.335,66.514 126.149,62.7 J12.6@130,62.7
  Bottom Layer w0.381: J12.6@130,62.7 J12.6@130.038,62.738
  Bottom Layer w0.635: J12.6@130.038,62.738 J34.4@136.906,62.738
PC8: J12.7 J34.6 U1.39 | length 25.3
  Top Layer w0.254: U1.39@112.317,67.014 124.248,67.014 126.022,65.24 J12.7@130,65.24
  Bottom Layer w0.381: J12.7@130,65.24 J12.7@130.038,65.278
  Bottom Layer w0.635: J12.7@130.038,65.278 J34.6@136.906,65.278
PC9: J12.8 J34.8 U1.40 | length 24.7
  Top Layer w0.254: U1.40@112.317,67.514 129.734,67.514 J12.8@130,67.78
  Bottom Layer w0.381: J12.8@130,67.78 J12.8@130.038,67.818
  Bottom Layer w0.635: J12.8@130.038,67.818 J34.8@136.906,67.818
PC10: J11.13 LCD_CON.6 U1.51 | length 75
  Top Layer w0.254: U1.51@109.517,73.314 109.517,85.133 116.332,91.948 119.38,91.948 120.65,93.218 J11.13@120.65,95.25 120.65,96.52 121.412,97.282 125.476,97.282 126.492,96.266 126.492,94.488 128.016,92.964 158.496,92.964 160.02,94.488 LCD_CON.6@160.02,96.774
PC11: J11.12 LCD_CON.5 U1.52 | length 73.6
  Top Layer w0.254: U1.52@109.017,73.314 109.017,86.157 115.824,92.964 117.348,92.964 118.11,93.726 J11.12@118.11,95.25 118.11,97.028 119.126,98.044 126.746,98.044 127.616,97.174 127.616,95.142 129.032,93.726 156.464,93.726 157.48,94.742 LCD_CON.5@157.48,96.774
PC12: J11.11 LCD_CON.4 U1.53 | length 72.8
  Top Layer w0.254: U1.53@108.517,73.314 108.517,87.181 115.57,94.234 J11.11@115.57,95.25 115.57,98.298 116.332,99.06 127.254,99.06 128.27,98.044 128.27,95.504 129.286,94.488 154.178,94.488 154.94,95.25 LCD_CON.4@154.94,96.774
PD2: J11.10 U1.54 | length 24
  Top Layer w0.254: U1.54@108.017,73.314 108.017,88.967 113.03,93.98 J11.10@113.03,95.25
PH: C06.2 D01.K L01.1 U02.8 | length 18.3
  Top Layer w0.6: D01.K@36.146,13.335 40.81,17.999 40.81,24.232 ; U02.8@40.81,25.984 40.81,24.232 ; C06.2@44.489,24.308 40.886,24.308 40.81,24.232
PREAMP: C26.1@45.212,62.727 C28.2 R26.1@43.18,62.627 U2.1 | length 8.7
  Top Layer w0.5: U2.1@38.989,64.503 40.272,64.503 42.048,62.727 C26.1@45.212,62.727
  Top Layer w0.508: C28.2@45.212,60.971 C26.1@45.212,62.727
PWM: J21.5 R210.1 | length 8.9
  Top Layer w0.5: R210.1@32.473,47.879 41.148,47.879 J21.5@41.275,48.006
ROW1: 
ROW2: 
ROW3: 
ROW4: 
SCL: I2C.6 R51.1 Sensor.3 U51.6 U52.6 U53.6 | length 62.8
  Top Layer w0.381: Sensor.3@60.96,86.36 60.96,71.374 60.391,70.805 60.391,67.569 ; U52.6@62.081,38.232 60.706,38.232 60.391,38.547 60.391,49.662 ; U53.6@62.081,49.662 60.391,49.662 ; R51.1@65.067,67.989 64.647,67.569 U51.6@62.052,67.569 60.391,67.569 ; 60.391,49.662 60.391,67.569
  Bottom Layer w0.635: Sensor.3@60.96,86.36 I2C.6@60.96,92.71
SCLK: J33.4 U31.11 | length 26.9
  Bottom Layer w0.3: J33.4@139.7,77.978 151.358,77.978 155.038,74.298 163.198,74.298 163.498,74.598 U31.11@163.498,76.085
SD_CLK: MicroSD.5 SDcard.8 | length 33.5
  Bottom Layer w0.4: MicroSD.5@127.729,23.406 127.729,20.988 128.524,20.193 142.24,20.193 146.812,24.765 SDcard.8@146.812,34.544
SD_CS: MicroSD.2 SDcard.4 | length 44.4
  Bottom Layer w0.4: MicroSD.2@124.429,23.406 124.429,18.954 126.238,17.145 142.24,17.145 142.602,17.507 142.669,17.507 151.892,26.73 SDcard.4@151.892,34.544
SD_MISO: MicroSD.7 SDcard.10 | length 23.8
  Bottom Layer w0.4: MicroSD.7@129.929,23.406 129.929,25.027 130.683,25.781 142.24,25.781 144.272,27.813 SDcard.10@144.272,34.544
SD_MOSI: MicroSD.3 SDcard.6 | length 39.3
  Bottom Layer w0.4: MicroSD.3@125.529,23.406 125.529,20.648 127.635,18.542 142.24,18.542 149.352,25.654 SDcard.6@149.352,34.544
SDA: I2C.8 R52.1 Sensor.4 U51.5 U52.5 U53.5 | length 78.9
  Top Layer w0.381: v2(57.658,64.516) 58.42,64.516 ; v2(58.166,46.736) 59.182,46.736 ; Sensor.4@58.42,86.36 58.42,64.516 ; 59.163,62.738 58.42,63.481 58.42,64.516 ; 59.182,62.738 59.182,46.736 ; v2(61.976,46.736) 62.081,46.841 U53.5@62.081,48.392 ; v2(61.976,64.516) 62.052,64.592 U51.5@62.052,66.299 67.061,66.299 67.607,66.845 R52.1@67.607,67.989 ; U52.5@62.081,36.962 59.812,36.962 59.182,37.592 59.182,46.736
  Bottom Layer w0.381: v2(57.658,64.516) v2(61.976,64.516) ; v2(58.166,46.736) v2(61.976,46.736)
  Bottom Layer w0.635: Sensor.4@58.42,86.36 I2C.8@58.42,92.71
SDATA: J33.6 U31.14 | length 30.4
  Bottom Layer w0.3: J33.6@139.7,75.438 152.908,75.438 154.748,73.598 166.562,73.598 167.308,74.344 U31.14@167.308,76.085
SLAT: J33.2 U31.12 | length 28.8
  Bottom Layer w0.3: J33.2@139.7,80.518 163.498,80.518 164.768,79.248 U31.12@164.768,76.085
SQW: U51.7
SWCLK: SWD.3 U1.49 | length 8.7
  Top Layer w0.254: U1.49@110.517,73.314 110.517,74.957 114.246,78.686 SWD.3@116.038,78.686
SWDIO: SWD.2 U1.46 | length 13.4
  Top Layer w0.254: U1.46@112.317,70.514 116.869,70.514 118.578,72.223 SWD.2@118.578,78.686
TAMP_PC13: C42.2 R42.1 TAMP.1 U1.2 | length 46.1
  Top Layer w0.254: v2(98.552,71.628) 99.166,71.014 U1.2@101.217,71.014
  Top Layer w0.381: TAMP.1@79.248,85.09 79.248,83.566 79.844,82.97 R42.1@82.042,82.97 C42.2@82.042,81.368
  Bottom Layer w0.254: TAMP.1@72.136,85.09 TAMP.1@79.248,85.09 80.264,84.074 94.742,84.074 98.552,80.264 v2(98.552,71.628)
TPIN+: Ethernet.7 R77.2 U73.13 | length 36.9
  Top Layer w0.254: U73.13@187.153,36.068 191.008,36.068 191.516,35.56 191.516,30.48 193.04,28.956 v1(195.58,28.956)
  Top Layer w0.5: Ethernet.7@196.24,22.987 R77.2@203.597,22.987
  Bottom Layer w0.254: v1(195.58,28.956) 200.152,28.956 200.914,28.194 200.914,23.622 200.279,22.987 Ethernet.7@196.24,22.987
TPIN-: Ethernet.8 R78.2 U73.12 | length 26.8
  Top Layer w0.254: U73.12@187.153,37.338 191.262,37.338 192.278,36.322 192.278,31.496 193.04,30.734 196.85,30.734 197.51,30.074 Ethernet.8@197.51,25.527
  Top Layer w0.5: Ethernet.8@197.51,25.527 R78.2@203.597,25.527
TPOUT+: Ethernet.1 R79.1@181.848,22.86 U73.17 | length 48.5
  Top Layer w0.5: R79.1@181.848,22.86 Ethernet.1@188.493,22.86 ; Ethernet.1@188.62,22.987 188.62,20.676 189.738,19.558 v1(200.914,19.558) ; U73.17@196.743,37.338 201.168,37.338 v1(202.692,35.814)
  Bottom Layer w0.5: v1(200.914,19.558) 203.2,19.558 204.978,21.336 204.978,33.528 v1(202.692,35.814)
TPOUT-: Ethernet.2 R710.1@181.848,25.4 U73.16 | length 24
  Top Layer w0.4: v1(193.548,32.766) 193.294,32.766 193.294,34.544 194.818,36.068 U73.16@196.743,36.068
  Top Layer w0.5: R710.1@181.848,25.4 Ethernet.2@189.763,25.4
  Bottom Layer w0.4: Ethernet.2@189.89,25.527 189.89,31.14 191.516,32.766 v1(193.548,32.766)
U3AM: C26.2 R25.1@40.116,71.247 R26.2 U2.2 | length 23.1
  Top Layer w0.381: U2.2@37.719,64.503 37.719,66.294 38.608,67.183 42.799,67.183 43.18,67.183 ; R25.1@40.116,71.247 42.037,71.247 42.799,70.485 43.18,70.104 43.18,67.183 ; C26.2@45.112,64.627 R26.2@43.18,64.627 43.18,67.183 ; C26.2@45.212,64.527 45.212,66.929 44.958,67.183 43.18,67.183
U3AP: C24.1@24.257,58.028 R24.2 U2.3 | length 19.9
  Top Layer w0.381: R24.2@26.162,57.928 26.162,57.023 26.416,56.769 31.242,56.769 31.877,57.404 31.877,61.849 32.512,62.484 36.068,62.484 36.449,62.865 U2.3@36.449,64.503
  Top Layer w0.635: C24.1@24.357,57.928 R24.2@26.162,57.928
U3BM: C27.2 R27.2 R28.2 U2.6 | length 14.6
  Top Layer w0.5: U2.6@36.449,59.703 36.449,61.341 36.83,61.722 40.259,61.722 40.91,61.071 R28.2@43.18,61.071
  Top Layer w0.508: C27.2@36.184,53.975 36.184,57.901 36.449,58.166 U2.6@36.449,59.703
USART1_RX_PA10: J71.2 U71.13 | length 11.9
  Top Layer w0.381: U71.13@166.848,38.774 166.848,45.391 169.515,48.058 J71.2@169.515,49.582
USART1_TX_PA9: J71.4 U71.14 | length 11.4
  Top Layer w0.381: U71.14@165.578,38.774 165.578,46.153 166.975,47.55 J71.4@166.975,49.582
VBAT: Pin_3V_51.1 U51.3 | length 10.8
  Top Layer w0.508: v10(53.848,67.31) 54.107,67.569 U51.3@56.652,67.569
  Bottom Layer w0.508: Pin_3V_51.1@50.666,60.722 53.848,63.904 v10(53.848,67.31)
VCC: B0.1 B1.1 C13.2 C14.2 C15.2 C16.2 C18.2 C22.2 C73.1@159.893,41.286 C75.2 F01.2 J13.1 LAN.1 R11.2 R21.2 R41.2 R42.2 SDcard.1 U1.13 U1.19 U1.32 U1.48 U1.64 U2.8 U71.16 VR21.3 | length 331.2
  Top Layer w0.254: 96.354,62.65 96.686,62.65 97.028,62.992 97.028,63.867 98.675,65.514 U1.13@101.217,65.514 ; v3(99.695,55.626) 101.727,55.626 103.008,56.907 C18.2@103.008,58.42 103.008,58.681 104.017,59.69 U1.19@104.017,62.214 ; v2(101.346,78.486) 101.385,78.447 C14.2@101.385,76.2 ; C14.2@101.599,76.146 101.599,74.202 102.487,73.314 U1.64@102.986,73.314 ; U1.32@110.517,62.214 111.809,62.214 112.316,61.707 C16.2@112.316,59.763 112.957,59.763 120.015,52.705 J13.1@120.015,48.26 120.015,44.323 120.904,43.434 152.4,43.434 154.432,41.402 SDcard.1@154.432,37.084 ; U1.48@112.317,71.514 112.317,72.806 v3(112.824,73.313) C15.2@115.022,73.313
  Top Layer w0.381: C73.1@159.893,41.286 160.569,41.962 C75.2@162.011,41.962 v1(162.011,39.306) 162.543,38.774 U71.16@163.038,38.774
  Top Layer w0.4: VR21.3@38.1,39.37 44.704,39.37 47.244,36.83 ; v8(39.751,57.658) 45.72,57.658 47.244,56.134 47.244,36.83 ; F01.2@63.576,27.559 67.691,27.559 69.596,29.464 69.596,34.29 ; v1(91.44,62.23) 90.336,63.334 R41.2@82.042,63.334 82.042,66.548 70.612,66.548 69.596,65.532 69.596,55.626 69.596,34.29 ; C13.2@95.758,62.65 96.354,62.65 v1(97.028,61.976) ; 47.244,36.83 49.784,34.29 69.596,34.29
  Top Layer w0.508: 69.596,55.626 v1(87.63,55.626)
  Top Layer w0.635: R21.2@28.194,57.928 29.353,57.928 v8@30.099,58.674 ; v8(30.099,58.547) v8@30.099,58.674 ; C22.2@30.226,61.584 30.226,58.801 v8@30.099,58.674 ; U2.8@38.989,59.703 38.989,58.42 v8(39.751,57.658)
  Bottom Layer w0.254: B1.1@100.584,89.916 B0.1@100.584,86.36 100.584,83.058 101.346,82.296 v2(101.346,78.486)
  Bottom Layer w0.381: SDcard.1@154.432,37.084 159.789,37.084 v1(162.011,39.306)
  Bottom Layer w0.4: v1(91.44,62.23) 96.52,62.23 97.028,61.722 v1(97.028,61.976)
  Bottom Layer w0.508: v1(87.63,55.626) v3(99.695,55.626) 111.76,55.626 112.824,56.69 v3(112.824,73.313)
  Bottom Layer w0.635: v8(30.099,58.547) 30.988,57.658 v8(39.751,57.658)
VCC_ENC: C710.2 C711.2 C712.2 C713.2 L71.1@177.292,30.364 LAN.2 R74.2 R75.2 U73.15 U73.19 U73.20 U73.25 U73.28 | length 74.3
  Top Layer w0.254: R75.2@180.594,34.71 181.483,34.71 R74.2@182.372,34.71 ; v7(193.929,46.736) 194.691,47.498 U73.25@196.743,47.498 198.755,47.498 199.644,48.387 199.644,50.8 199.136,51.308 U73.28@196.743,51.308
  Top Layer w0.3: U73.19@196.743,39.878 198.882,39.878 199.224,40.22 C710.2@200.152,40.22 ; U73.20@196.743,41.148 199.224,41.148 C710.2@200.152,40.22 ; C713.2@205.486,40.22 C712.2@203.708,40.22 C711.2@201.93,40.22 C710.2@200.152,40.22
  Top Layer w0.4: L71.1@177.292,30.364 177.292,33.528 178.474,34.71 R75.2@180.594,34.71 ; v7(181.483,33.274) 181.483,34.71 ; U73.15@196.743,34.798 v7(200.152,34.798) ; v7(200.025,41.148) v7@200.152,41.275
  Bottom Layer w0.4: v7(181.483,33.274) 181.483,36.449 186.182,41.148 193.929,41.148 ; v7(193.929,46.736) 193.929,41.148 ; v7(200.152,34.798) 200.152,41.275 v7(200.025,41.148) 193.929,41.148
VIN: "CAN BUS.3" "CAN BUS.5" "CAN BUS.7" C01.1 C05.1 D02.K J01.1 U02.7 | length 152.4
  Top Layer w0.3: v1(71.374,33.274) 70.612,34.036 70.612,47.244 71.882,48.514 J01.1@83.312,48.514
  Top Layer w0.508: D02.K@25.443,24.054 27.104,25.716 C01.1@32.08,25.716 33.619,27.254 U02.7@40.81,27.254
  Bottom Layer w0.3: 28.321,79.121 26.028,76.828 26.028,30.106 30.418,25.716 C01.1@32.08,25.716 32.08,30.556 34.798,33.274 v1(71.374,33.274)
  Bottom Layer w0.508: 28.321,79.121 28.321,81.661 28.321,84.201
VSENSE: R06.1 R07.2 U02.4 | length 3.4
  Top Layer w0.508: R07.2@44.505,31.526 R06.1@46.107,31.526 46.21,31.423 U02.4@46.21,29.794
WKUP_PA0: C41.2 R41.1 U1.14 WKUP.1 | length 29.6
  Top Layer w0.3: v1(98.155,63.4) 98.044,63.511 98.044,63.754 99.304,65.014 U1.14@101.217,65.014
  Top Layer w0.381: WKUP.1@79.248,63.754 79.248,61.976 79.59,61.634 R41.1@82.042,61.634 C41.2@82.042,60.032
  Bottom Layer w0.3: v1@98.044,63.5 98.144,63.4 v1(98.155,63.4)
  Bottom Layer w0.381: WKUP.1@79.248,63.754 97.801,63.754 v1(98.155,63.4)
WOL: LAN.8 U73.5 | length 7.8
  Top Layer w0.254: v7(185.039,46.228) U73.5@187.153,46.228
  Bottom Layer w0.5: LAN.8@181.864,49.53 183.769,49.53 185.039,48.26 v7(185.039,46.228)
pads on no net: "CAN BUS.13" "CAN BUS.14" "CAN BUS.Hole31" "CAN BUS.Hole32" +3V3.0 +5V.0 C01.0 C02.0 C03.0 C04.0 C05.0 C06.0 C11.0 C12.0 C13.0 C14.0 C15.0 C16.0 C18.0 C18.1@101.208,58.42 C18.1@103.008,58.42 C19.0 C22.0 C22.1@30.226,61.584 C22.1@30.226,63.384 C23.0 C23.1@28.194,61.584 C23.1@28.194,63.384 C24.0 C24.1@24.257,58.028 C24.1@24.257,59.828 C25.0 C25.1@34.66,71.247 C25.1@36.46,71.247 C26.0 C26.1@45.212,62.727 C26.1@45.212,64.527 C27.0 C27.1@36.184,53.975 C27.1@37.984,53.975 C28.0 C28.1@45.212,59.171 C28.1@45.212,60.971 C29.0 C29.1@34.66,69.215 C29.1@36.46,69.215 C41.0 C42.0 C51.0 C52.0 C52.1@126.862,28.956 C52.1@128.662,28.956 C53.0 C53.1@126.862,26.162 C53.1@128.662,26.162 C54.0 C54.1@62.781,43.047 C54.1@62.781,44.847 C55.0 C55.1@62.146,54.477 C55.1@62.146,56.277 C61.0 C64.0 C64.1@104.165,25.552 C64.1@104.165,27.352 C65.0 C65.1@107.456,39.014 C65.1@107.456,39.015 C65.1@109.256,39.014 C65.1@109.256,39.015 C66.0 C68.0 C68.1@85.46,38.989 C68.1@87.26,38.989 C69.0 C69.1@81.813,25.379 C69.1@81.813,27.179 C71.0 C71.1@163.535,29.77 C71.1@165.335,29.77 C72.0 C72.1@167.091,29.77 C72.1@168.891,29.77 C73.0 C73.1@159.893,39.486 C73.1@159.893,41.286 C74.0 C74.1@170.647,29.77 C74.1@172.447,29.77 C75.0 C75.1@162.011,41.962 C75.1@163.811,41.962 C76.0 C76.1@34.922,82.347 C76.1@36.722,82.347 C77.0 C78.0 C79.0 C79.1@187.822,53.34 C79.1@189.622,53.34 C110.0 C111.0 C710.0 C711.0 C712.0 C713.0 C714.0 C715.0 C716.0 C716.1@205.74,28.564 C716.1@205.74,30.364 C717.0 C717.1@179.832,28.564 C717.1@179.832,30.364 COM.1 COM.4 COM.6 COM.7 COM.8 COM.9 COM.10 COM.11 D02.0 D21.0 Ethernet.4 Ethernet.5 Ethernet.13 Ethernet.14 Ethernet.Hole31 Ethernet.Hole32 F02.0 I2C_LED.0 J11.1 J11.2 L71.0 L71.1@177.292,28.564 L71.1@177.292,30.364 LCD_CON.7 LCD_CON.8 LCD_CON.9 LCD_CON.10 LED31.0 LED32.0 LED33.0 LED34.0 LED35.0 LED36.0 LED37.0 LED38.0 LED71.0 LED72.0 MicroSD.1 MicroSD.8 MicroSD.9 R01.0 R01.1@68.478,13.501 R01.1@68.478,15.201 R02.0 R02.1@92.368,60.198 R02.1@94.068,60.198 R03.0 R03.1@93.98,62.65 R03.1@93.98,64.35 R04.0 R04.1@95.67,60.198 R04.1@97.37,60.198 R05.0 R06.0 R07.0 R7seg9.0 R7seg10.0 R7seg11.0 R7seg12.0 R11.0 R11.1@82.042,72.81 R11.1@82.042,74.51 R12.0 R12.1@105.83,89.916 R12.1@107.53,89.916 R13.0 R13.1@105.83,86.36 R13.1@107.53,86.36 R21.0 R21.1@28.194,57.928 R21.1@28.194,59.928 R22.0 R22.1@26.162,61.484 R22.1@26.162,63.484 R23.0 R23.1@24.257,61.484 R23.1@24.257,63.484 R24.0 R24.1@26.162,57.928 R24.1@26.162,59.928 R25.0 R25.1@38.116,71.247 R25.1@40.116,71.247 R26.0 R26.1@43.18,62.627 R26.1@43.18,64.627 R27.0 R27.1@36.084,56.007 R27.1@38.084,56.007 R28.0 R28.1@43.18,59.071 R28.1@43.18,61.071 R29.0 R29.1@38.116,69.215 R29.1@40.116,69.215 R31.0 R32.0 R33.0 R34.0 R35.0 R36.0 R37.0 R38.0 R39.0 R40.0 R41.0 R42.0 R51.0 R52.0 R53.0 R54.0 R61.0 R61.1@104.165,21.896 R61.1@104.165,23.896 R61.1@104.166,21.896 R61.1@104.166,23.896 R62.0 R62.1@81.813,21.977 R62.1@81.813,23.977 R62.1@81.814,21.977 R62.1@81.814,23.977 R71.0 R71.1@169.531,45.518 R71.1@171.531,45.518 R72.0 R72.1@169.531,42.47 R72.1@171.531,42.47 R73.0 R73.1@34.798,95.139 R73.1@34.798,97.139 R74.0 R75.0 R76.0 R77.0 R77.1@203.724,22.86 R77.1@205.724,22.86 R78.0 R78.1@203.724,25.4 R78.1@205.724,25.4 R79.0 R79.1@179.848,22.86 R79.1@181.848,22.86 R210.0 R211.0 R710.0 R710.1@179.848,25.4 R710.1@181.848,25.4 R711.0 R712.0 SD.0 SW.SM U01.4 U02.0 U02.2 U02.3 U02.5 U31.9 U51.0 U53.7 U71.0 U71.7 U71.8 U71.9 U71.10 U72.1@40.267,83.617 U72.5 X51.3 X52.3 XT32.3
copper on no net:
  other v4: 50.766,41.608 50.766,49.608 50.766,64.722 50.766,72.722 86.14,77.9 86.14,85.9
  other v9: 122.364,12.575 130.518,12.575

## Polygon pours and split planes (outlines as drawn)
AGND on Bottom Layer "Bottom Layer-No Net" (solid, pour order 4): 72.5,20 80,20 80,7.5 112.5,7.5 112.5,40 72.5,40

## Keep-outs
Keep-Out Layer:
  the board outline again, w0.508

## Silkscreen, mask and mechanical layers (free items; w line width, h text height)
Top Overlay:
  text "GND" at 19.177,66.675 h0.81
  text "GND" at 160.78,46.558 h0.81
  text "GND" at 122.809,43.18 h0.81 r90
  text "+3V3" at 125.5,42.5 h0.81 r90
  text "+5V" at 26,41.5 h1.52
  text "GND" at 65.278,37.084 h0.81 r90
  text "GND" at 174.623,25.984 h0.81
  text "POWER" at 16.637,12.7 h3.05

## Text inside footprints (layer, text, board x,y; h text height)
"CAN BUS": Top Overlay "1" at 29.099,88.293 h0.95 r90; Top Overlay "RJ45" at 26.67,84.861 h0.95 r90; Mechanical 2 "1" at 29.099,88.293 h0.95 r90; Mechanical 2 "1" at 29.099,88.293 h0.95 r90
COM: Top Overlay "6" at 172.21,13.665 h1.02 r180; Top Overlay "9" at 163.574,13.665 h1.02 r180; Top Overlay "5" at 159.51,19.253 h1.02 r180; Top Overlay "1" at 176.782,19.253 h1.02 r180; Top Overlay "FEMALE" at 170.737,9.906 h1.52 r180
DS31: Top Overlay "1234" at 162.56,70.358 h6
Ethernet: Top Overlay "RJ45" at 190.5,21.336 h0.95 r180; Top Overlay "1" at 187.068,23.765 h0.95 r180; Mechanical 2 "1" at 187.068,23.765 h0.95 r180; Mechanical 2 "1" at 187.068,23.765 h0.95 r180
I2C: Top Overlay "2" at 68.58,93.218 h1.27 r180; Top Overlay "1" at 68.072,95.758 h1.27 r180; Top Overlay "7" at 56.896,95.758 h1.27 r180; Top Overlay "8" at 56.896,93.218 h1.27 r180
J21: Top Overlay "4" at 41.783,42.926 h1.27 r90; Top Overlay "1" at 44.323,43.434 h1.27 r90; Top Overlay "3" at 44.323,52.578 h1.27 r90; Top Overlay "6" at 41.783,52.578 h1.27 r90
J31: Top Overlay "2" at 139.7,35.052 h1.27 r180; Top Overlay "1" at 139.7,37.592 h1.27 r180; Top Overlay "15" at 117.856,37.592 h1.27 r180; Top Overlay "16" at 117.856,35.052 h1.27 r180
J32: Top Overlay "3" at 140.208,97.79 h1.27; Top Overlay "4" at 140.208,100.33 h1.27; Top Overlay "2" at 133.604,100.33 h1.27; Top Overlay "1" at 134.112,97.79 h1.27
J33: Top Overlay "8" at 139.192,71.374 h1.27 r270; Top Overlay "7" at 136.652,71.374 h1.27 r270; Top Overlay "1" at 136.652,82.55 h1.27 r270; Top Overlay "2" at 139.192,83.058 h1.27 r270
J34: Top Overlay "8" at 137.668,69.342 h1.27 r90; Top Overlay "7" at 140.208,69.342 h1.27 r90; Top Overlay "1" at 140.208,58.166 h1.27 r90; Top Overlay "2" at 137.668,57.658 h1.27 r90
J61: Top Overlay "1" at 96.647,45.593 h1.27 r180; Top Overlay "2" at 97.155,43.053 h1.27 r180; Top Overlay "4" at 90.551,43.053 h1.27 r180; Top Overlay "3" at 90.551,45.593 h1.27 r180
J71: Top Overlay "2" at 172.055,50.09 h1.27 r180; Top Overlay "1" at 171.547,52.63 h1.27 r180; Top Overlay "7" at 160.371,52.63 h1.27 r180; Top Overlay "8" at 160.371,50.09 h1.27 r180
J72: Top Overlay "2" at 45.982,80.696 h1.27 r90; Top Overlay "1" at 48.522,81.204 h1.27 r90; Top Overlay "7" at 48.522,92.38 h1.27 r90; Top Overlay "8" at 45.982,92.38 h1.27 r90
LAN: Top Overlay "2" at 181.356,59.69 h1.27 r270; Top Overlay "1" at 178.816,59.69 h1.27 r270; Top Overlay "15" at 178.816,37.846 h1.27 r270; Top Overlay "16" at 181.356,37.846 h1.27 r270
SDcard: Top Overlay "10" at 142.748,35.052 h1.27 r180; Top Overlay "9" at 142.748,37.592 h1.27 r180; Top Overlay "1" at 156.464,37.592 h1.27 r180; Top Overlay "2" at 156.972,35.052 h1.27 r180